# Altium PCB 2440PCBV8.PcbDoc (part 3 of 4)
Units mm, origin at the board's own origin, x right, y up, seen from the top; angles counter-clockwise.
Board outline 100.55 x 165.78 mm, 6 copper layers (Top Layer, GND1, SIG1, VCC, GND2, Bottom Layer), stack 1.803 mm thick; 257 components, 255 nets, 1164 pads, 733 vias.
Unrouted connection lines stored in the file: 55.
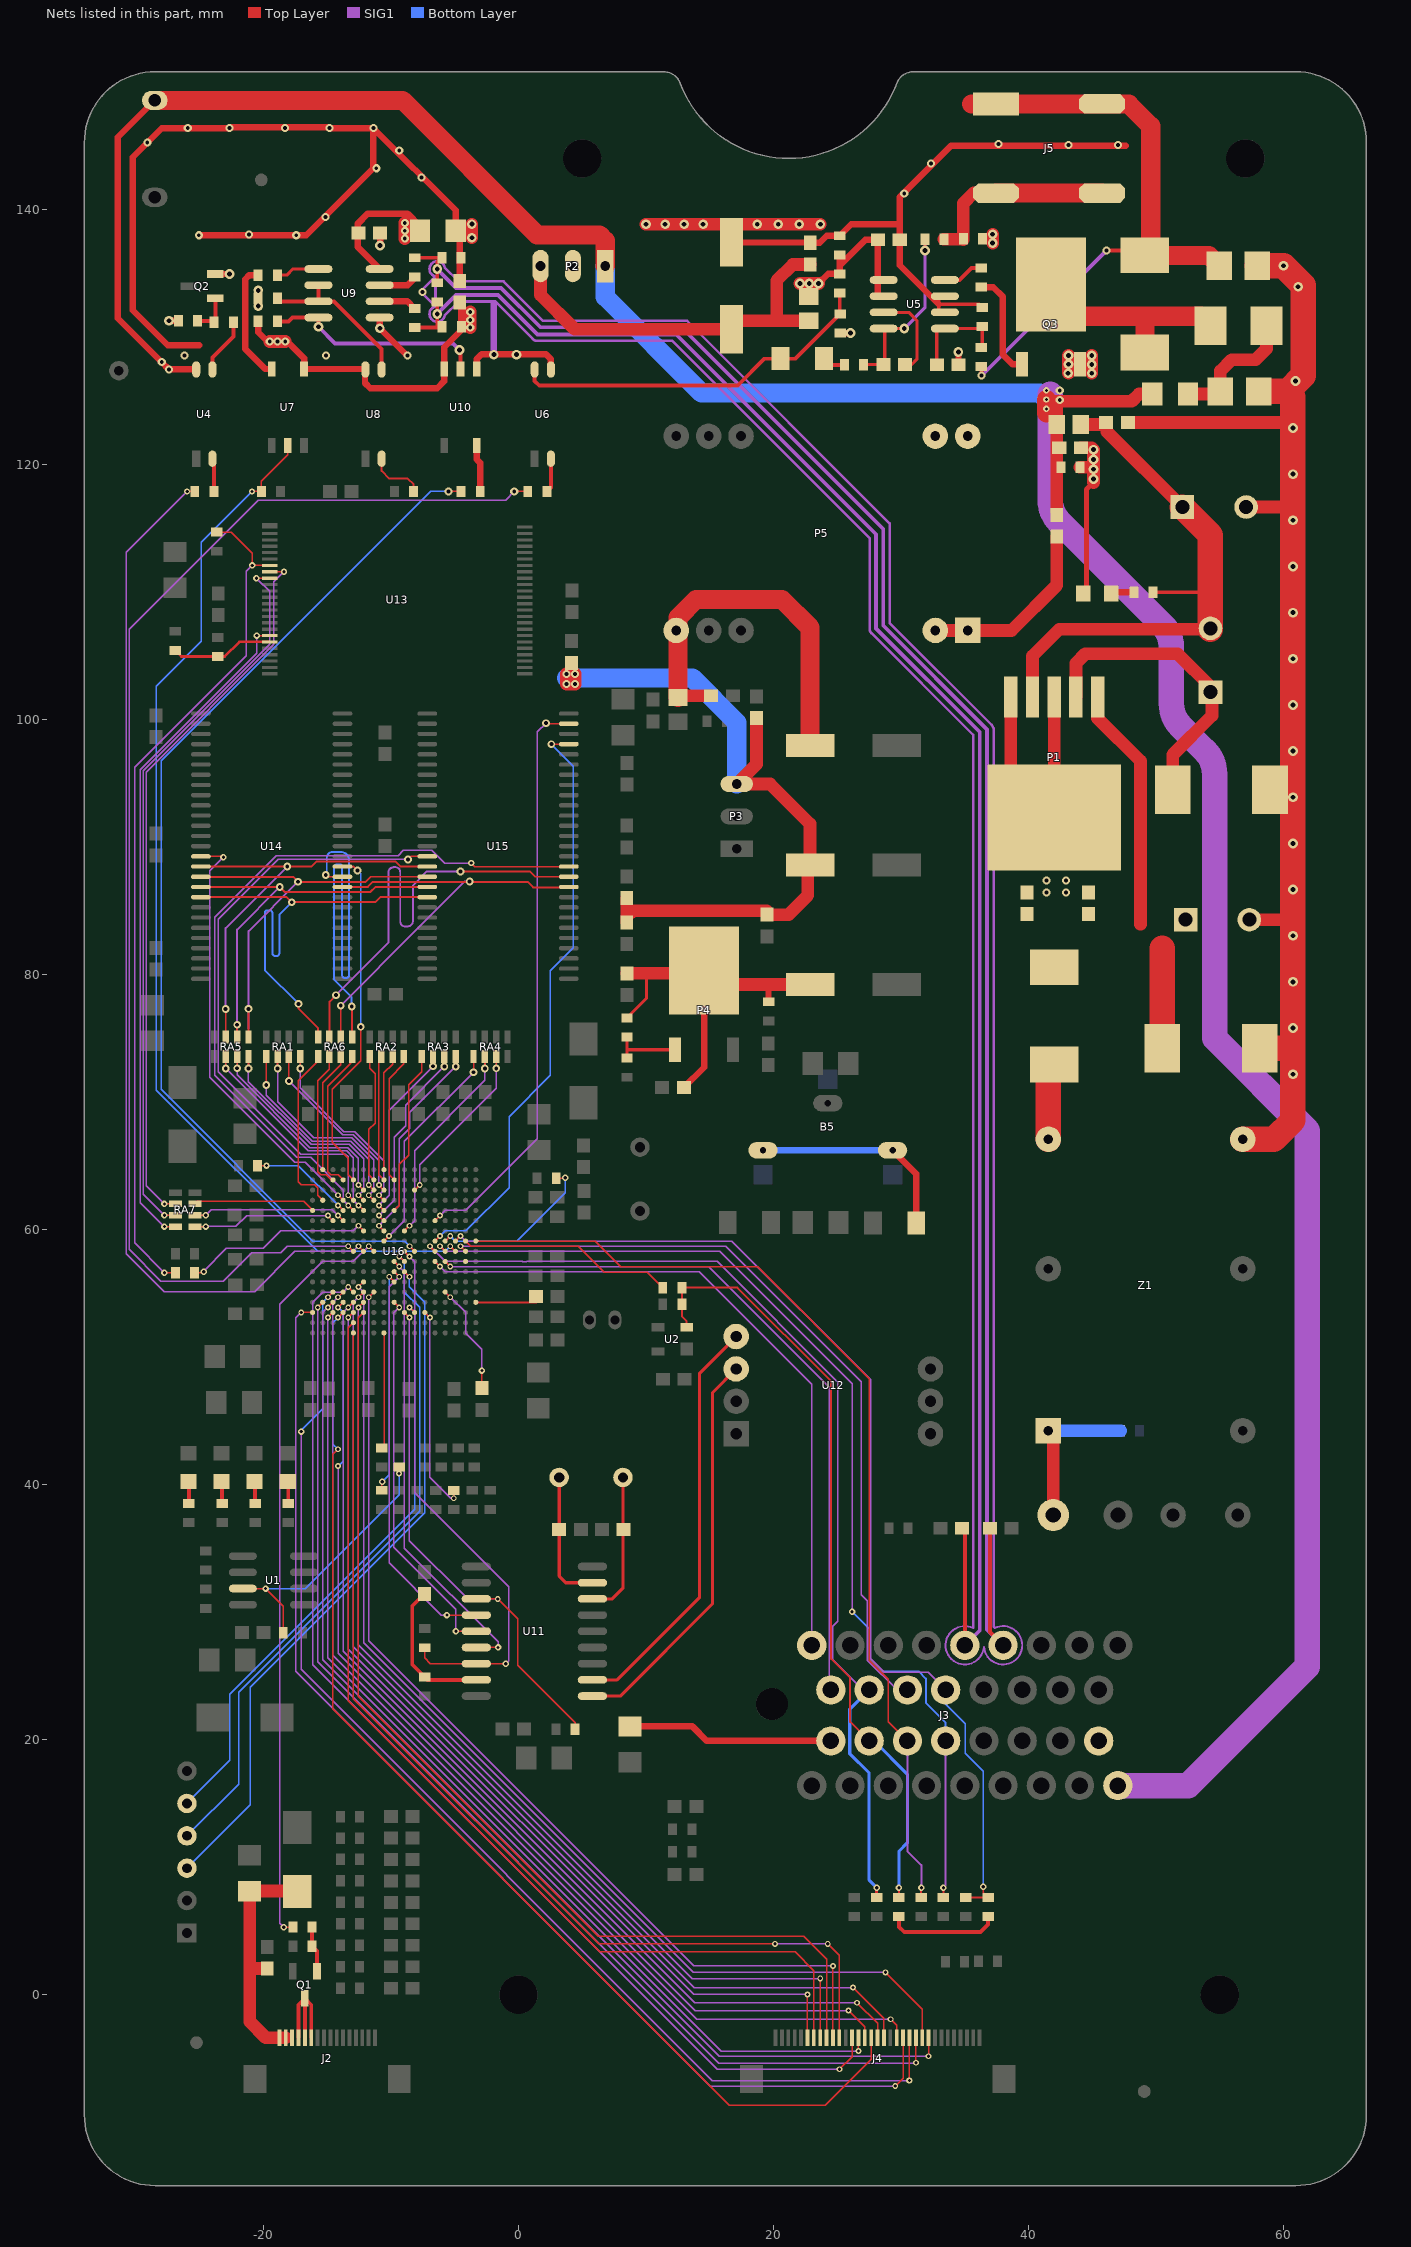
[diagram p7: the nets of this part, all layers, seen from the top]

## Via types
v1: diameter 0.635, hole 0.305, Top Layer to Bottom Layer, tented both sides, 275 vias
v2: diameter 0.457, hole 0.254, Top Layer to Bottom Layer, tented both sides, 233 vias
v3: diameter 0.6, hole 0.3, Top Layer to Bottom Layer, tented both sides, 106 vias
v4: diameter 0.762, hole 0.381, Top Layer to Bottom Layer, tented both sides, 59 vias
v5: diameter 0.508, hole 0.254, Top Layer to Bottom Layer, tented both sides, 59 vias
v6: diameter 0.406, hole 0.254, Top Layer to Bottom Layer, tented both sides, 1 vias

## Nets (pads, with @x,y where several pads share a name; then routed paths per layer and width w, separated by ;. In a path a pad name is that pad's centre, name@x,y a point inside that pad or via, vN(x,y) a via of type N, cw(c..) or ccw(c..) an arc to the next point about the centre after c; other vN are vias at no path point) (continued)
LDATA30: U15.51 U16.H13 | length 46.5
  Top Layer w0.102: U16.H13@-6.548,59.099 v2(-6.148,59.499) ; v3(2.578,98.068) U15.51@3.95,98.068
  Bottom Layer w0.102: v2(-6.148,59.499) -5.748,59.899 -4.122,59.899 -0.737,63.284 -0.737,68.859 2.489,72.085 2.489,80.315 4.293,82.118 4.293,96.354 v3(2.578,98.068)
LDATA31: U15.53 U16.F13 | length 45.4
  Top Layer w0.102: U16.F13@-6.548,60.699 v2(-6.148,61.099) ; v3(2.159,99.72) 2.211,99.668 U15.53@3.95,99.668
  SIG1 w0.102: v2(-6.148,61.099) -5.748,61.499 -4.147,61.499 1.468,67.114 1.468,99.029 v3(2.159,99.72)
LLADDR2: RA2.5 U16.B7 | length 10.3
  Top Layer w0.102: RA2.5@-11.856,73.564 -11.652,73.361 -11.652,72.637 -11.246,72.231 -11.246,68.357 -11.748,67.856 -11.748,64.299 U16.B7@-11.348,63.899
LLADDR3: RA3.7 U16.F8 | length 15.2
  Top Layer w0.102: v2(-10.948,61.099) U16.F8@-10.548,60.699 ; v3(-5.81,72.79) RA3.7@-5.81,73.59
  SIG1 w0.102: v2(-10.948,61.099) -9.748,62.299 -9.748,67.24 -8.839,68.148 -8.839,69.761 v3(-5.81,72.79)
LLADDR4: RA1.5 U16.C7 | length 15.7
  Top Layer w0.102: v3(-19.78,71.342) RA1.5@-19.78,73.564 ; v2(-11.748,63.499) U16.C7@-11.348,63.099
  SIG1 w0.102: v3(-19.78,71.342) -19.78,70.552 -16.167,66.939 -13.17,66.939 -11.748,65.516 v2(-11.748,63.499)
LLADDR5: RA1.8 U16.D8 | length 14.8
  Top Layer w0.102: v2(-10.948,62.699) U16.D8@-10.548,62.299
  Top Layer w0.152: v3(-17.113,72.637) RA1.8@-17.113,73.59
  SIG1 w0.102: v3(-17.113,72.637) -17.113,71.114 -13.691,67.691 -12.852,67.691 -10.548,65.386 -10.548,63.099 v2(-10.948,62.699)
LLADDR6: RA3.6 U16.E8 | length 14
  Top Layer w0.102: v2(-10.948,61.899) U16.E8@-10.548,61.499 ; v3(-6.699,72.815) RA3.6@-6.699,73.59
  SIG1 w0.102: v2(-10.948,61.899) -10.148,62.699 -10.148,69.367 v3(-6.699,72.815)
LLADDR7: RA1.6 U16.D7 | length 16.5
  Top Layer w0.102: v2(-11.748,62.699) U16.D7@-11.348,62.299
  Top Layer w0.152: v3(-18.891,72.637) RA1.6@-18.891,73.59
  SIG1 w0.102: v3(-18.891,72.637) -18.891,70.018 -16.063,67.189 -13.067,67.189 -11.348,65.471 -11.348,63.099 v2(-11.748,62.699)
LLADDR8: RA3.8 U16.G8 | length 16.4
  Top Layer w0.102: v2(-10.948,60.299) U16.G8@-10.548,59.899 ; v3(-4.921,72.79) RA3.8@-4.921,73.59
  SIG1 w0.102: v2(-10.948,60.299) -9.348,61.899 -9.348,67.106 -8.509,67.945 -8.509,69.202 v3(-4.921,72.79)
LLADDR9: RA2.6 U16.B8 | length 9.8
  Top Layer w0.102: RA2.6@-10.967,73.564 -10.948,73.545 -10.948,64.299 U16.B8@-10.548,63.899
LLADDR10: RA2.7 U16.A8 | length 9.2
  Top Layer w0.102: U16.A8@-10.548,64.699 -10.548,72.294 -9.874,72.967 RA2.7@-9.874,73.59
LLADDR11: RA1.7 U16.C8 | length 14.1
  Top Layer w0.102: RA1.7@-18.002,73.59 -18.002,71.656 v3(-18,71.653) ; v2(-10.948,63.499) U16.C8@-10.548,63.099
  SIG1 w0.102: v3(-18,71.653) -13.787,67.44 -12.956,67.44 -10.948,65.432 v2(-10.948,63.499)
LLADDR12: RA2.8 U16.B9 | length 10.3
  Top Layer w0.102: U16.B9@-9.748,63.899 -10.148,64.299 -10.148,71.831 -8.985,72.993 RA2.8@-8.985,73.59
LLADDR13: RA4.5 U16.H8 | length 17.4
  Top Layer w0.102: U16.H8@-10.548,59.099 v2(-10.148,59.499) ; v3(-3.524,72.345) RA4.5@-3.524,73.59
  SIG1 w0.102: v2(-10.148,59.499) -8.948,60.699 -8.948,66.922 v3(-3.524,72.345)
LLADDR14: RA3.5 U16.E9 | length 12.6
  Top Layer w0.102: U16.E9@-9.748,61.499 -9.748,61.505 -9.452,61.801 -9.445,61.801 -9.348,61.899 -9.348,65.112 -8.622,65.838 -8.622,71.363 -7.588,72.396 RA3.5@-7.588,73.171
LLADDR24: RA4.7 U16.C11 | length 13.1
  Top Layer w0.102: U16.C11@-8.148,63.099 v2(-7.748,63.499) ; v3(-1.746,72.644) RA4.7@-1.746,73.59
  SIG1 w0.102: v2(-7.748,63.499) -7.748,65.092 -1.746,71.093 v3(-1.746,72.644)
LLADDR25: RA4.6 U16.G10 | length 16.3
  Top Layer w0.102: U16.G10@-8.948,59.899 v2(-8.548,60.299)
  Top Layer w0.152: v3(-2.635,72.637) RA4.6@-2.635,73.59
  SIG1 w0.102: v2@-8.571,60.299 v2(-8.548,60.299) -8.148,60.699 -8.148,66.198 -2.635,71.71 v3(-2.635,72.637)
LLNSCAS: RA5.8 U16.D6 | length 17.1
  Top Layer w0.102: v2(-12.548,62.699) U16.D6@-12.148,62.299
  Top Layer w0.152: v3(-21.177,72.637) RA5.8@-21.177,73.59
  SIG1 w0.102: v3(-21.177,72.637) -21.177,71.594 -16.271,66.688 -13.274,66.688 -12.148,65.561 -12.148,63.099 v2(-12.548,62.699)
LLNSCS0: RA6.5 U16.D2 | length 13.3
  Top Layer w0.102: RA6.5@-15.716,73.59 -15.716,73.227 -17.272,71.672 -17.272,63.747 -17.024,63.499 -15.982,63.499 -15.748,63.264 -15.748,62.699 U16.D2@-15.348,62.299
LLNSRAS: RA5.7 U16.C6 | length 16.4
  Top Layer w0.102: v3(-22.066,72.65) RA5.7@-22.066,73.59 ; v2(-12.548,63.499) U16.C6@-12.148,63.099
  SIG1 w0.102: v3(-22.066,72.65) -22.066,72.129 -16.375,66.437 -13.378,66.437 -12.548,65.607 v2(-12.548,63.499)
LLNWE: RA5.6 U16.E6 | length 18.3
  Top Layer w0.102: v2(-12.548,61.899) U16.E6@-12.148,61.499
  Top Layer w0.152: v3(-22.955,72.637) RA5.6@-22.955,73.59
  SIG1 w0.102: v3(-22.955,72.637) -16.504,66.186 -13.482,66.186 -12.948,65.652 -12.948,62.299 v2(-12.548,61.899)
LLSCKE: RA6.7 U16.A2 | length 9.5
  Top Layer w0.102: U16.A2@-15.348,64.699 -15.348,71.52 -13.938,72.93 RA6.7@-13.938,73.59
LLSCLK0: RA6.8 U16.B4 | length 11.2
  Top Layer w0.102: U16.B4@-13.748,63.899 -14.148,64.299 -14.713,64.299 -14.948,64.533 -14.948,71.26 -13.151,73.057 RA6.8@-13.151,73.564
LLSCLK1: RA6.6 U16.B3 | length 10.9
  Top Layer w0.102: RA6.6@-14.827,73.59 -14.827,72.574 -15.748,71.654 -15.748,64.533 -15.513,64.299 -15.068,64.299 -14.668,63.899 U16.B3@-14.548,63.899
LNFCE: RA7.6 U16.F4 | length 12.1
  Top Layer w0.102: RA7.6@-25.375,61.125 v5(-24.524,61.125) ; v2(-14.148,61.099) U16.F4@-13.748,60.699
  SIG1 w0.102: v5(-24.524,61.125) -24.111,61.538 -14.587,61.538 v2(-14.148,61.099)
LNFRE: RA7.7 U16.E1 | length 9.5
  Top Layer w0.102: RA7.7@-25.312,62.077 -25.184,62.205 -16.854,62.205 U16.E1@-16.148,61.499
LNFWE: RA7.5 U16.F3 | length 11.3
  Top Layer w0.102: RA7.5@-25.375,60.236 v5(-24.524,60.236) ; v2(-14.948,61.099) U16.F3@-14.548,60.699
  SIG1 w0.102: v5(-24.524,60.236) -24.511,60.249 -22.174,60.249 -21.324,61.099 v2(-14.948,61.099)
LNSCAS: RA5.1 U14.17 U15.17 | length 33.4
  Top Layer w0.152: U14.17@-24.905,87.668 -24.895,87.659 -17.682,87.659 v3(-17.296,87.273) -11.99,87.273 -11.595,87.668 U15.17@-7.15,87.668 ; RA5.1@-21.177,75.114 v3(-21.177,77.311)
  SIG1 w0.152: -21.171,75.755 -21.171,83.398 v3(-17.296,87.273)
LNSCS0: RA6.4 U14.19 U15.19 | length 38.7
  Top Layer w0.152: U14.19@-24.905,86.068 -18.174,86.068 v3(-17.779,85.673) -11.228,85.673 -10.833,86.068 U15.19@-7.15,86.068 ; v3(-17.247,77.699) -17.247,77.318 -15.716,75.787 RA6.4@-15.716,75.114
  Bottom Layer w0.152: v3(-17.779,85.673) -18.75,84.702 -18.75,81.686 cw(c-18.979,81.686) -18.979,81.458 -19.075,81.458 cw(c-19.075,81.686) -19.304,81.686 -19.304,84.836 ccw(c-19.504,84.836) -19.504,85.036 -19.688,85.036 ccw(c-19.688,84.836) -19.888,84.836 -19.888,80.34 v3(-17.247,77.699)
LNSRAS: RA5.2 U14.18 U15.18 | length 31.2
  Top Layer w0.152: U14.18@-24.905,86.868 v3(-18.72,86.868) -18.325,86.473 -11.607,86.473 -11.212,86.868 U15.18@-7.15,86.868 ; RA5.2@-22.066,75.114 v3(-22.066,76.066)
  SIG1 w0.152: v3(-22.066,76.066) -22.066,83.522 v3(-18.72,86.868)
LNWBE0: U14.15 U16.D4 | length 33.9
  Top Layer w0.102: U14.15@-24.905,89.268 -23.203,89.268 v5(-23.139,89.205) ; v2(-14.148,62.699) U16.D4@-13.748,62.299
  SIG1 w0.102: v5(-23.139,89.205) -24.206,88.138 -24.206,71.957 -17.527,65.278 -16.727,65.278 v2(-14.148,62.699)
LNWBE1: U14.39 U16.B5 | length 27.3
  Top Layer w0.102: U16.B5@-12.948,63.899 -13.348,64.299 -13.348,65.586 -14.605,66.844 -14.605,70.994 -12.717,72.882 -12.599,72.999 ; -12.599,72.999 -12.37,73.229 v3(-12.37,75.895)
  Top Layer w0.152: U14.39@-13.805,88.468 -12.929,88.468 v3(-12.624,88.163)
  Bottom Layer w0.152: v3(-12.624,88.163) -12.37,87.909 v3(-12.37,75.895)
LNWBE2: U15.15 U16.D5 | length 46.9
  Top Layer w0.102: v2(-13.348,62.699) U16.D5@-12.948,62.299 ; v1(-8.661,89.027) -8.42,89.268 U15.15@-7.15,89.268
  SIG1 w0.102: v2(-13.348,62.699) -13.348,65.697 -13.57,65.919 -17.075,65.919 -23.546,72.39 -23.546,84.328 -18.847,89.027 v1(-8.661,89.027)
LNWBE3: U15.39 U16.E5 | length 58.6
  Top Layer w0.102: v2(-13.348,61.899) U16.E5@-12.948,61.499 ; v5(-3.708,88.748) -3.429,88.468 U15.39@3.95,88.468
  SIG1 w0.102: v2(-13.348,61.899) -13.748,62.299 -13.748,63.099 -16.308,65.659 -17.379,65.659 -23.825,72.106 -23.825,84.506 -18.999,89.332 -9.449,89.332 -9.041,89.74 -6.783,89.74 -5.791,88.748 v5(-3.708,88.748)
LNWE: RA5.3 U14.16 U15.16 | length 33.4
  Top Layer w0.102: RA5.3@-22.955,75.114 RA5.3@-22.955,75.266
  Top Layer w0.152: U14.16@-24.905,88.468 v3(-18.135,88.468) -16.256,88.468 -15.861,88.864 -9.641,88.864 -9.246,88.468 U15.16@-7.15,88.468 ; v3(-22.968,77.298) -22.955,77.285 RA5.3@-22.955,75.266
  SIG1 w0.152: v3(-22.968,77.298) -22.968,83.636 v3(-18.135,88.468)
LRNB: R78.2 U16.G6 | length 15.1
  Top Layer w0.102: R78.2@-25.412,56.624 -24.764,56.624 v5(-24.689,56.699) ; v2(-12.548,60.299) U16.G6@-12.148,59.899
  SIG1 w0.102: v5(-24.689,56.699) -24.689,56.744 -22.898,58.534 -20.028,58.534 -18.663,59.899 -12.948,59.899 v2(-12.548,60.299)
  Bottom Layer w0.102: v5@-24.764,56.624 v5(-24.689,56.699)
LSCKE: RA6.2 U14.37 U15.37 | length 34.7
  Top Layer w0.152: RA6.2@-13.938,75.114 v3(-13.938,77.567) ; U14.37@-13.805,86.868 -11.811,86.868 -11.415,87.264 0.722,87.264 1.143,86.843 U15.37@3.95,86.843
  SIG1 w0.152: v3(-13.938,77.567) -7.89,83.616 -7.89,83.623 -4.213,87.3 v3(-3.835,87.3)
LSCLK0: RA6.1 U14.38 | length 38.2
  Top Layer w0.152: v3(-15.113,87.808) -14.974,87.668 U14.38@-13.805,87.668 ; RA6.1@-13.049,75.114 v3@-13.049,77.495
  Bottom Layer w0.152: v3(-15.113,87.808) ccw(c-15.113,87.884) -15.037,87.884 -15.037,89.154 cw(c-14.58,89.154) -14.58,89.611 -13.919,89.611 cw(c-13.919,88.976) -13.284,88.976 -13.284,79.947 cw(c-13.501,79.947) -13.501,79.731 -13.615,79.731 cw(c-13.615,79.947) -13.831,79.947 -13.831,88.468 ccw(c-13.995,88.468) -13.995,88.632 -14.263,88.632 ccw(c-14.263,88.443) -14.453,88.443 -14.453,79.604 -13.081,78.232 v3(-13.081,77.495)
LSCLK1: RA6.3 U15.38 | length 37.3
  Top Layer w0.152: RA6.3@-14.827,75.114 -14.811,75.13 -14.811,77.886 v3(-14.313,78.384) ; v3@-4.548,88.087 0.889,88.087 1.308,87.668 U15.38@3.95,87.668
  SIG1 w0.152: v3(-14.313,78.384) -10.197,82.5 -10.197,88.011 cw(c-9.791,88.011) -9.791,88.417 -9.652,88.417 cw(c-9.652,88.036) -9.271,88.036 -9.271,84.15 ccw(c-8.89,84.15) -8.89,83.769 -8.738,83.769 ccw(c-8.738,84.239) -8.268,84.239 -8.268,86.994 -7.178,88.083 v3(-4.548,88.083) ; v3@-4.548,87.959 v3(-4.548,88.083) ; v3@-4.548,88.087 v3(-4.548,88.083)
LVD2: J4.20 U16.N4 | length 86
  Top Layer w0.102: v2(29.185,-1.923) 29.66,-2.398 J4.20@29.66,-3.375
  Top Layer w0.127: v2(-14.148,54.699) U16.N4@-13.748,55.099
  SIG1 w0.102: v2(-14.148,54.699) -14.548,54.299 -14.548,26.608 13.984,-1.923 v2(29.185,-1.923)
LVD3: J4.21 U16.R1 | length 93.7
  Top Layer w0.102: v2(-17.037,53.499) U16.R1@-16.148,53.499 ; v2(29.54,-7.163) 30.16,-6.543 J4.21@30.16,-3.375
  SIG1 w0.102: v2(-17.037,53.499) -17.462,53.074 -17.462,25.347 15.047,-7.163 v2(29.54,-7.163)
LVD4: J4.22 U16.N3 | length 95.1
  Top Layer w0.102: v2(-14.948,54.699) U16.N3@-14.548,55.099 ; v5(30.66,-6.729) J4.22@30.66,-3.375
  SIG1 w0.102: v5(-17.037,44.164) -17.037,25.521 15.212,-6.729 v5(30.66,-6.729)
  Bottom Layer w0.102: v5(-17.037,44.164) -17.094,44.221 -15.348,45.968 -15.348,54.299 v2(-14.948,54.699)
LVD5: J4.23 U16.P2 | length 90.3
  Top Layer w0.102: v2(-15.748,53.899) U16.P2@-15.348,54.299 ; v2@31.16,-5.334 J4.23@31.16,-3.375
  SIG1 w0.102: v2(-15.748,53.899) -15.748,26.111 15.723,-5.359 v2@31.166,-5.359
  other v2: 31.166,-5.334
LVD6: J4.24 U16.M6 | length 86.6
  Top Layer w0.102: v2(-12.548,55.499) U16.M6@-12.148,55.899 ; v2(28.778,1.753) 31.66,-1.129 J4.24@31.66,-3.375
  SIG1 w0.102: v2(-12.548,55.499) -12.147,55.098 -12.147,27.603 13.703,1.753 v2(28.778,1.753)
LVD7: J4.25 U16.P3 | length 90.2
  Top Layer w0.102: v2(-14.948,53.899) U16.P3@-14.548,54.299 ; v2(32.156,-4.826) 32.16,-4.822 J4.25@32.16,-3.375
  SIG1 w0.102: v2(-14.948,53.899) -15.348,53.499 -15.348,26.277 15.756,-4.826 v2(32.156,-4.826)
LVD10: J4.13 U16.N5 | length 89.6
  Top Layer w0.102: v2@-13.36,55.511 U16.N5@-12.948,55.099 ; v2(25.166,-5.842) 26.16,-4.848 J4.13@26.16,-3.375
  SIG1 w0.102: v2(-13.348,55.499) -13.748,55.099 -15.348,55.099 -16.148,54.299 -16.148,25.876 15.57,-5.842 v2(25.166,-5.842)
LVD11: J4.14 U16.R3 | length 82.7
  Top Layer w0.102: v2(-14.948,53.099) U16.R3@-14.548,53.499 ; J4.14@26.66,-3.375 26.66,-4.41 v2(26.67,-4.42)
  SIG1 w0.102: v2(-14.948,53.099) -14.948,26.443 15.915,-4.42 v2(26.67,-4.42)
LVD12: J4.15 U16.P4 | length 82.3
  Top Layer w0.102: v2(-14.148,53.899) U16.P4@-13.748,54.299 ; v2(25.883,-1.245) 27.16,-2.522 J4.15@27.16,-3.375
  SIG1 w0.102: v2(-14.148,41.453) -14.148,26.774 13.871,-1.245 v2(25.883,-1.245)
  Bottom Layer w0.102: v2(-14.148,41.453) -13.748,41.853 -13.748,53.499 v2(-14.148,53.899)
LVD13: J4.16 U16.R4 | length 90
  Top Layer w0.102: v2(-14.148,42.774) -14.548,42.374 -14.548,22.432 16.546,-8.661 24.054,-8.661 27.66,-5.055 J4.16@27.66,-3.375 ; v2(-14.148,53.099) U16.R4@-13.748,53.499
  Bottom Layer w0.102: v2(-14.148,42.774) -14.554,43.18 -14.554,52.692 v2@-14.148,53.099
LVD14: J4.17 U16.P5 | length 82.8
  Top Layer w0.102: v2(-13.348,53.899) U16.P5@-12.948,54.299 ; v2(26.543,-0.635) 28.16,-2.252 J4.17@28.16,-3.375
  SIG1 w0.102: v2(-13.348,53.899) -13.748,53.499 -13.748,26.94 13.827,-0.635 v2(26.543,-0.635)
LVD15: J4.18 U16.N6 | length 83.3
  Top Layer w0.102: v2(-12.548,54.699) U16.N6@-12.148,55.099 ; v2(26.238,0.559) 28.66,-1.863 J4.18@28.66,-3.375
  SIG1 w0.102: v2(-12.548,54.699) -12.948,54.299 -12.948,27.271 13.765,0.559 v2(26.238,0.559)
LVD18: J4.6 U16.R5 | length 77.2
  Top Layer w0.102: v2(-13.348,53.099) U16.R5@-12.948,53.499 ; v2(22.657,0.025) 22.66,0.022 J4.6@22.66,-3.375
  SIG1 w0.102: v2(-13.348,53.099) -13.348,27.105 13.732,0.025 v2(22.657,0.025)
LVD19: J4.7 U16.T5 | length 80.3
  Top Layer w0.102: U16.T5@-12.948,52.699 -13.348,52.299 -13.348,23.062 6.361,3.353 21.692,3.353 23.16,1.884 J4.7@23.16,-3.375
LVD20: J4.8 U16.P6 | length 78.7
  Top Layer w0.102: v2(-12.548,53.899) U16.P6@-12.148,54.299 ; J4.8@23.66,-3.375 v2(23.66,1.283)
  SIG1 w0.102: v2(-12.548,53.899) -12.548,27.437 13.619,1.27 23.647,1.27 v2(23.66,1.283)
LVD21: J4.9 U16.R6 | length 81.7
  Top Layer w0.102: U16.R6@-12.148,53.499 -12.548,53.099 -12.548,23.394 6.274,4.572 22.352,4.572 24.16,2.764 J4.9@24.16,-3.375
LVD22: J4.10 U16.N7 | length 80.1
  Top Layer w0.102: v2(-11.748,54.699) U16.N7@-11.348,55.099 ; J4.10@24.66,-3.375 24.66,2.257 v2(24.663,2.261)
  SIG1 w0.102: v2(-11.748,54.699) -11.748,27.768 13.76,2.261 v2(24.663,2.261)
LVD23: J4.11 U16.U5 | length 81.6
  Top Layer w0.102: U16.U5@-12.948,51.899 -12.948,23.228 6.292,3.988 v2(20.117,3.988) ; v2(24.257,3.988) 25.16,3.085 J4.11@25.16,-3.375
  SIG1 w0.102: v2(20.117,3.988) v2(24.257,3.988)
MPLLCAP: C50.1 U16.N14 | length 8.7
  Top Layer w0.102: U16.N14@-5.748,55.099 v2(-5.348,54.699) ; C50.1@-2.87,47.561 v5(-2.87,48.946)
  SIG1 w0.102: v2(-5.348,54.699) -4.148,53.499 -4.148,51.874 -2.87,50.597 v5(-2.87,48.946)
NBATT: R80.2 U16.H14 | length 13.2
  Top Layer w0.102: U16.H14@-5.748,59.099 v2(-5.348,59.499) ; R80.2@2.96,64.033 3.632,64.033 v5(3.658,64.059)
  Bottom Layer w0.102: v2(-5.348,59.499) -4.948,59.099 -0.137,59.099 3.658,62.894 v5(3.658,64.059)
NCON: R22.2 U16.R12 | length 16.2
  Top Layer w0.102: U16.R12@-7.348,53.499 v2(-6.947,53.099) ; v2(-5.08,38.938) -5.072,38.947 R22.2@-5.072,39.536
  SIG1 w0.102: v2(-6.947,53.099) -6.947,40.585 -5.3,38.938 v2(-5.08,38.938)
NCTS1/RXD2: R53.2 U7.5 U16.J15 | length 84.2
  Top Layer w0.102: v2(-20.904,117.881) R53.2@-20.165,117.881 -20.165,118.697 -18.085,120.777 U7.5@-18.085,121.487 ; v2(-5.348,58.699) U16.J15@-4.948,58.299
  Bottom Layer w0.102: v2@-20.93,117.856 -24.867,113.919 -24.867,106.121 -28.397,102.591 -28.397,70.942 -15.754,58.299 -5.748,58.299 v2(-5.348,58.699)
NetB1_1: B1.1 R71.2 | length 1.7
  Top Layer w0.305: R71.2@-23.246,38.52 B1.1@-23.246,40.204
NetB2_1: B2.1 R72.1 | length 1.7
  Top Layer w0.305: R72.1@-20.653,38.52 B2.1@-20.653,40.204
NetB3_1: B3.1 R73.1 | length 1.7
  Top Layer w0.305: R73.1@-18.059,38.52 B3.1@-18.059,40.204
NetB4_1: B4.1 R74.1 | length 3.4
  Top Layer w0.152: R74.1@-25.883,38.562 B4.1@-25.883,40.246
  Top Layer w0.305: R74.1@-25.84,38.52 B4.1@-25.84,40.204
NetB5_1: B5.1@19.177,66.218 B5.3 D7.1 | length 16.6
  Top Layer w0.508: B5.3@29.337,66.218 31.189,64.365 D7.1@31.189,60.528
  Bottom Layer w0.508: B5.1@19.177,66.218 B5.3@29.337,66.218
NetC3_1: C3.1 CV2.1 L1.2 P1.4 R1.1 RT1.1 | length 43.5
  Top Layer w0.254: R1.1@49.76,109.982 53.56,109.982
  Top Layer w1: P1.4@40.312,101.758 40.312,104.98 42.418,107.086 L1.2@54.264,107.086 ; RT1.1@44.106,123.139 45.974,123.139 46.126,123.292 46.126,122.595 CV2.1@52.059,116.662
  Top Layer w2: CV2.1@52.059,116.662 54.264,114.457 L1.2@54.264,107.148 L1.2@54.264,107.086
NetC5_1: C5.1 CV3.1 P2.3 RT2.1 | length 29.9
  Top Layer w1: P2.3@1.727,135.56 1.727,133.299 4.416,130.61 CV3.1@16.713,130.61 ; CV3.1@17.502,131.272 20.244,131.272 ; RT2.1@22.76,131.272 20.244,131.272 ; C5.1@22.875,135.687 21.514,135.687 20.244,134.417 20.244,131.272
NetC7_1: C7.1 CV4.1 P3.3 RD1.1 RD2.1 RD3.1 RD4.1 | length 56.9
  Top Layer w1: RD3.1@8.49,84.098 8.49,85.09 ; RD2.1@8.49,85.993 8.49,85.09 ; C7.1@18.669,99.861 18.669,96.495 P3.3@17.12,94.945 19.736,94.945 22.864,91.817 CV4.1@22.864,88.595 ; RD1.1@19.443,85.001 8.96,85.001 8.769,84.811 8.49,85.09 ; RD1.1@19.482,84.695 21.17,84.695 22.686,86.211 CV4.1@22.686,87.862 ; v1(3.759,102.794) v1(4.445,102.794) v1(4.445,103.581) v1(3.759,103.581) v1(3.759,102.794)
  Bottom Layer w1.5: 3.759,103.251 13.64,103.251 17.12,99.771 P3.3@17.12,94.945
NetC9_1: C9.1 CV5.1 P4.4 R2.1 RK1.1 RV5.2 | length 28.6
  Top Layer w0.254: R2.1@8.509,76.596 10.033,78.12 10.033,80.098
  Top Layer w0.5: C9.1@12.966,71.147 14.554,72.735 P4.4@14.554,80.311 ; RV5.2@19.609,77.864 19.609,79.07
  Top Layer w1: RK1.1@8.507,80.098 10.033,80.098 14.342,80.098 P4.4@14.554,80.311 ; P4.4@15.332,79.223 CV5.1@22.686,79.223
NetC10_1: C10.1 CV6.1 P5.14 RT4.1 | length 29.8
  Top Layer w1: RT4.1@12.649,101.854 C10.1@15.113,101.854
  Top Layer w1.5: RT4.1@12.522,101.728 12.522,108.001 13.945,109.423 20.65,109.423 22.864,107.21 CV6.1@22.864,97.968
NetC13_1: C13.1 CP6.1 J2.1 J2.2 J2.3 RF1.1 | length 19
  Top Layer w0.254: J2.3@-17.75,-3.375 J2.3@-17.75,-2.951
  Top Layer w1: C13.1@-19.837,2.046 -21.04,2.046 -21.077,2.083 ; J2.2@-18.25,-3.375 J2.1@-18.75,-3.375 -19.815,-3.375 -21.077,-2.113 -21.077,2.083 ; CP6.1@-17.348,8.104 -17.369,8.125 RF1.1@-21.077,8.125 -21.077,2.083
NetC27_1: C27.1 R43.2 R44.2 U5.5 | length 7.7
  Top Layer w0.254: C27.1@32.805,127.813 U5.5@32.805,130.506 ; U5.5@32.956,130.658 U5.5@33.439,130.658 36.222,130.658 R43.2@36.373,130.809 R44.2@36.373,129.261
NetC28_1: C28.1 U5.3 | length 7
  Top Layer w0.254: U5.3@28.639,131.928 30.607,131.928 31.242,131.293 31.242,128.245 30.836,127.838 C28.1@30.328,127.838
NetC28_2: C28.2 R48.2 R49.1 U5.4 | length 13.8
  Top Layer w0.254: R49.1@27.078,127.838 C28.2@28.628,127.838 28.727,127.838 28.727,130.569 U5.4@28.639,130.658 v4(30.251,130.658) ; v4(31.876,136.78) R48.2@31.876,137.668
  SIG1 w0.254: v4(30.251,130.658) 31.876,132.282 v4(31.876,136.78)
NetC35_1: C35.1 R64.2 U11.17 | length 11.5
  Top Layer w0.305: C35.1@-7.368,31.433 -8.331,30.47 -8.331,25.896 R64.2@-7.366,24.931 -7.124,24.689 U11.17@-3.305,24.689
NetC36_1: C36.1 U11.8 X1.2 | length 10.6
  Top Layer w0.254: X1.2@3.188,40.564 3.188,32.829 3.708,32.309 U11.8@5.795,32.309
NetC37_1: C37.1 U11.7 X1.1 | length 11.4
  Top Layer w0.254: U11.7@5.795,31.039 7.366,31.039 8.191,31.864 X1.1@8.191,40.564
NetCT1_1: CT1.1 L2.1 RF2.2 | length 10.1
  Top Layer w1: RF2.2@52.505,125.527 CT1.1@54.837,125.527 ; CT1.1@55.04,125.73 55.04,127.329 55.931,128.219 57.81,128.219 58.664,129.073 L2.1@58.664,130.886
NetCT2_1: CT2.1 D4.2 J5.1 R44.1 | length 48.7
  Top Layer w0.305: v1(36.297,126.975) R44.1@36.297,127.684 ; v1(46.126,136.779) D4.2@49.561,136.779
  Top Layer w1.5: 35.539,148.255 47.859,148.255 49.581,146.533 D4.2@49.581,136.759 ; D4.2@49.098,136.398 54.126,136.398 CT2.1@54.939,135.585
  SIG1 w0.305: v1@36.309,126.962 v1(46.126,136.779)
NetD1_1: D1.1 Z1.3 | length 6.1
  Top Layer w2: Z1.3@41.554,67.081 41.554,72.492 D1.1@42.012,72.949
NetD3_2: D3.2 L1.1 P1.2 | length 24.6
  Top Layer w1: P1.2@43.712,101.758 43.712,104.418 44.45,105.156 51.689,105.156 54.381,102.464 54.381,100.305 51.308,97.231 D3.2@51.308,94.488 D3.2@50.901,94.895
NetD4_1: D4.1 L2.2 Q3.4 | length 15.7
  Top Layer w1.5: Q3.4@41.758,134.109 44.244,131.623 49.124,131.623 ; D4.1@49.098,128.778 49.124,128.803 49.124,131.623 ; L2.2@53.528,131.623 49.124,131.623
NetD5_1: D5.1 R45.2 R47.2 U6.4 | length 29
  Top Layer w0.305: U6.4@1.27,127.452 1.27,126.543 1.626,126.187 17.196,126.187 19.304,128.295 D5.1@20.55,128.295 21.71,128.295 R47.2@25.217,131.802 ; R47.2@25.191,131.827 R45.2@25.191,133.453
NetD5_2: D5.2 R49.2 | length 1.8
  Top Layer w0.305: D5.2@23.95,128.295 24.433,127.813 R49.2@25.552,127.813
NetFU1_2: FU1.2 RV2.2 Z1.1 | length 12.4
  Top Layer w1: Z1.1@41.554,44.221 41.935,43.84 FU1.2@41.935,37.617
  Bottom Layer w1: Z1.1@41.554,44.221 RV2.2@47.205,44.221
NetHL1_1: HL1.1 R1.2 | length 1.8
  Top Layer w0.5: HL1.1@46.486,109.887 46.581,109.982 R1.2@48.26,109.982
NetJ1_11: 
NetJ1_15: R15.2 R16.2 | length 8.9
  Top Layer w0.305: R15.2@29.832,6.133 29.832,5.322 30.251,4.902 36.22,4.902 36.824,5.506 R16.2@36.824,6.133
NetJ2_4: J2.4 J2.5 J2.6 Q1.3 | length 9.7
  Top Layer w0.305: J2.4@-17.25,-3.375 -17.25,-0.786 -16.752,-0.288 Q1.3@-16.75,-0.29 ; J2.5@-16.75,-3.375 Q1.3@-16.75,-0.29 ; J2.6@-16.25,-3.375 -16.25,-0.79 Q1.3@-16.75,-0.29
NetJ3_17: J3.17 RF3.1 | length 16.2
  Top Layer w0.508: RF3.1@8.738,21.034 13.637,21.034 14.771,19.9 J3.17@24.5,19.9
NetJ5_2: J5.2 R48.1 R50.1 | length 15.6
  Top Layer w1: R48.1@33.376,137.668 34.835,137.668 R50.1@34.886,137.719 ; R50.1@34.874,137.617 34.874,140.462 35.692,141.28 J5.2@37.444,141.28
  Top Layer w1.5: J5.2@37.444,141.28 J5.2@45.766,141.28
NetNR3_1: 
NetNR4_1: NR4.1 R17.2 U1.7 | length 21.5
  Top Layer w0.102: U1.7@-21.618,31.852 v5(-19.837,31.852) -18.45,30.464 R17.2@-18.45,28.399 ; v2(-9.361,40.874) NR4.1@-9.361,41.389
  Bottom Layer w0.102: v5(-19.837,31.852) -16.713,31.852 -9.361,39.204 v2(-9.361,40.874)
NetNR9_1: NR9.1 R69.2 U13.19 | length 8.1
  Top Layer w0.203: NR9.1@-26.911,105.41 -26.441,104.939 R69.2@-23.597,104.939 -23.036,104.939 -21.89,106.085 U13.19@-19.513,106.085
NetP4_1: P4.1 R2.2 R3.1 | length 5.4
  Top Layer w0.254: R3.1@8.509,73.445 8.509,74.143 ; R2.2@8.509,75.096 8.509,74.143 ; P4.1@12.274,74.111 8.541,74.111 8.509,74.143
NetP5_22: P5.22 P5.23 RT3.2 | length 14.8
  Top Layer w1: P5.22@32.69,106.985 38.659,106.985 42.206,110.532 RT3.2@42.206,114.335
  Bottom Layer w1: P5.22@32.69,106.985 P5.22@32.715,106.959
NetQ1_1: Q1.1 R19.1 R21.1 | length 3.6
  Top Layer w0.305: R19.1@-16.192,5.309 R21.1@-16.192,3.81 -15.8,3.418 Q1.1@-15.8,1.837
NetQ2_1: Q2.1 R39.1 R41.1 | length 3.2
  Top Layer w0.305: R41.1@-25.158,131.272 -25.15,131.264 -23.766,131.264 Q2.1@-23.766,133.035
NetQ3_1: Q3.1 R42.1 | length 8.4
  Top Layer w0.508: R42.1@36.271,133.907 37.238,133.907 37.973,133.172 37.973,128.626 38.739,127.859 Q3.1@39.478,127.859
NetR39_2: R39.2 U4.3 | length 4.4
  Top Layer w0.305: U4.3@-24.003,127.452 -24.003,128.397 -22.364,130.036 R39.2@-22.364,131.166
NetR40_1: R40.1 U4.2 | length 2.6
  Top Layer w0.305: U4.2@-24.003,120.452 -23.887,120.336 R40.1@-23.887,117.881
NetR42_2: R42.2 U5.8 | length 3.7
  Top Layer w0.305: U5.8@32.956,134.468 U5.8@33.439,134.468 34.595,134.468 35.535,135.407 R42.2@36.271,135.407
NetR46_1: R46.1 U6.2 | length 2.7
  Top Layer w0.305: R46.1@2.224,117.881 2.54,118.197 U6.2@2.54,120.452
NetR54_1: R54.1 U9.1 | length 3.4
  Top Layer w0.254: R54.1@-18.913,134.854 -18.181,134.854 -17.704,135.331 U9.1@-15.684,135.331
NetR54_2: R54.2 U7.3 | length 9.4
  Top Layer w0.508: R54.2@-20.413,134.854 -21.102,134.854 -21.436,134.52 -21.436,129.056 -19.867,127.487 U7.3@-19.355,127.487
NetR56_2: R56.2 U9.6 | length 2.9
  Top Layer w0.508: U9.6@-10.884,132.791 -8.712,132.791 R56.2@-8.167,132.246
NetR57_1: R57.1 U8.2 | length 4.5
  Top Layer w0.152: U8.2@-10.731,120.452 -10.731,119.494 -10.135,118.897 -8.687,118.897 -8.22,118.431 R57.1@-8.22,117.881
NetR59_2: R59.2 U9.7 | length 3.1
  Top Layer w0.508: U9.7@-10.884,134.061 -8.699,134.061 R59.2@-8.052,134.708
NetR60_1: R60.1 U8.3 U9.2 U9.3 | length 12
  Top Layer w0.305: R60.1@-18.913,133.038 -18.666,132.791 U9.3@-15.684,132.791 U9.2@-15.684,134.061 ; U9.3@-14.961,132.791 -14.478,132.791 -10.731,129.045 U8.3@-10.731,127.452
NetR62_2: R62.2 U9.4 U10.5 | length 17.4
  Top Layer w0.305: R62.2@-18.913,131.222 -18.034,131.222 -17.735,131.521 U9.4@-15.684,131.521 v4(-15.684,130.797) ; v4(-4.623,128.981) -4.547,128.905 U10.5@-4.547,127.487
  SIG1 w0.305: v4(-15.684,130.797) -14.376,129.489 -5.131,129.489 v4(-4.623,128.981)
NetR63_1: R63.1 U10.3 | length 3.7
  Top Layer w0.508: U10.3@-3.277,121.487 -3.277,120.396 -2.998,120.117 R63.1@-2.998,117.881
NetR75_2: R75.2 U16.U8 | length 9.1
  Top Layer w0.102: R75.2@-10.719,42.889 -10.522,43.085 -10.522,51.873 U16.U8@-10.548,51.899 U16.U8@-10.56,51.887
NetR76_2: R76.2 U16.M9 | length 17.8
  Top Layer w0.102: R76.2@-10.731,39.561 -10.731,40.081 -10.693,40.119 v5(-10.693,40.234) v5@-10.693,40.31 ; v2(-10.135,56.299) -9.748,55.912 U16.M9@-9.748,55.899
  Bottom Layer w0.102: v5@-10.693,40.119 v5(-10.693,40.234) ; v5@-10.693,40.31 v5(-10.693,40.234) ; v2(-10.135,56.299) -10.135,40.792 v5(-10.693,40.234)
NFCE: RA7.3 U13.9 | length 57.1
  Top Layer w0.102: v5(-27.762,61.125) RA7.3@-26.899,61.125 ; v5(-20.549,111.085) U13.9@-19.513,111.085
  SIG1 w0.102: v5(-27.762,61.125) -29.425,62.788 -29.425,95.972 -19.513,105.885 -19.513,110.049 v5(-20.549,111.085)
NFRE: RA7.2 U13.8 | length 56.6
  Top Layer w0.102: v5(-27.762,62.014) RA7.2@-26.899,62.014 ; U13.8@-19.513,111.585 v5(-18.39,111.585)
  SIG1 w0.102: v5(-27.762,62.014) -29.203,63.455 -29.203,95.88 -19.177,105.907 -19.177,110.798 v5(-18.39,111.585)
NFWE: RA7.4 U13.18 | length 52.8
  Top Layer w0.102: v5(-27.762,60.236) RA7.4@-26.899,60.236 ; v5(-20.517,106.585) U13.18@-19.513,106.585
  SIG1 w0.102: v5(-27.762,60.236) -29.647,62.121 -29.647,96.064 -20.517,105.195 v5(-20.517,106.585)
NRESET: R81.2 U16.H16 | length 17
  Top Layer w0.102: U16.H16@-4.148,59.099 -3.748,58.699 4.688,58.699 6.719,56.667 10.096,56.667 R81.2@11.315,55.448
NRTS1/TXD2: R63.2 U16.J11 | length 83.1
  Top Layer w0.102: v2(-8.534,58.699) -8.148,58.312 U16.J11@-8.148,58.299 ; v1(-5.486,117.881) R63.2@-4.498,117.881
  Bottom Layer w0.102: v2(-8.534,58.699) -8.934,59.099 -16.122,59.099 -28.016,70.993 -28.016,96.754 -6.863,117.907 v1@-5.512,117.907
NSS0/EINT10/GPG2: R66.1 U11.16 U16.J10 | length 43.2
  Top Layer w0.102: U16.J10@-8.948,58.299 -8.948,58.287 v2(-8.548,57.887) ; R66.1@-7.366,27.207 -7.366,26.416 -6.909,25.959 U11.16@-3.305,25.959 v5(-0.991,25.959)
  SIG1 w0.102: v2(-8.548,57.887) -8.148,57.487 -8.148,39.353 -0.774,31.979 -0.774,26.175 v5(-0.991,25.959)
NSS1/EINT11/GPG3: R65.2 U11.12 U16.R10 | length 41.3
  Top Layer w0.102: U16.R10@-8.948,53.499 v2(-8.548,53.099) ; U11.12@-3.305,31.039 v2(-1.626,31.039) -0.051,29.464 -0.051,25.832 4.447,21.334 R65.2@4.447,20.83
  SIG1 w0.102: v2(-8.548,53.099) -8.548,35.599 -3.988,31.039 v2(-1.626,31.039)
NTRST: J3.22 R7.2 R16.1 U16.H15 | length 86
  Top Layer w0.102: U16.H15@-4.948,59.099 v2(-4.548,59.499) ; v5(36.449,8.47) 36.449,8.009 R16.1@36.824,7.633
  Top Layer w0.152: R7.2@35.076,7.633 R16.1@36.824,7.633
  SIG1 w0.102: v2(-4.548,59.499) -4.148,59.099 16.732,59.099 27.61,48.221 27.61,26.34 28.677,25.273 32.127,25.273 J3.22@33.5,23.9 J3.22@33.047,23.9
  Bottom Layer w0.102: J3.22@33.5,23.9 33.5,22.786 35.052,21.234 35.052,18.923 36.449,17.526 v5(36.449,8.47)
NWAIT: R70.2 U16.E4 | length 8.2
  Top Layer w0.102: R70.2@-20.459,64.999 -19.787,64.999 v5(-19.761,65.024) ; v2(-14.148,61.899) U16.E4@-13.748,61.499
  Bottom Layer w0.102: v5(-19.761,65.024) -17.273,65.024 v2(-14.148,61.899)
RESET: J3.16 R12.2 R15.1 R81.1 U2.2 | length 61.6
  Top Layer w0.152: R12.2@12.827,54.139 R12.2@12.815,54.127 ; U2.2@13.19,52.334 13.19,52.825 12.815,53.2 R12.2@12.815,54.127 ; J3.16@27.5,19.9 26,21.4 26,24.851 24.511,26.34 24.511,48.108 17.17,55.448 R81.1@12.815,55.448 R12.2@12.815,54.127 ; R15.1@29.832,7.633 v5(29.832,8.394)
  Bottom Layer w0.152: J3.16@27.5,19.9 27.877,19.9 J3.16@27.954,19.9
  Bottom Layer w0.254: J3.16@27.877,19.9 30.5,17.277 30.5,11.9 29.832,11.232 v5(29.832,8.394)
RNB: R68.2 R78.1 U13.7 | length 66.9
  Top Layer w0.102: v5(-27.762,56.624) R78.1@-26.912,56.624 ; R68.2@-23.673,114.694 -22.543,114.694 -20.879,113.03 v5(-20.879,112.085) U13.7@-19.513,112.085
  SIG1 w0.102: v5(-27.762,56.624) -30.091,58.953 -30.091,96.248 -21.336,105.004 -21.336,111.628 v5(-20.879,112.085)
RS_N: C31.2 J3.29 R58.2 R59.1 R61.1 | length 148.6
  Top Layer w0.305: R59.1@-8.052,136.208 R61.1@-6.021,136.208 ; R58.2@-6.375,134.252 v4(-6.375,135.331) -6.375,135.854 R61.1@-6.021,136.208 ; R61.1@-6.008,136.195 R61.1@-6.021,136.208 ; C31.2@36.971,36.576 36.971,28.429 J3.29@38,27.4
  SIG1 w0.305: v4(-6.375,135.331) -4.89,133.846 -1.369,133.846 1.718,130.759 12.776,130.759 28.603,114.932 28.603,107.363 36.754,99.212 36.754,28.646 J3.29@38,27.4
RS_P: C30.1 J3.30 R55.1 R56.1 R58.1 | length 146.7
  Top Layer w0.305: R56.1@-7.899,130.746 -6.047,130.746 R55.1@-5.982,130.81 ; -6.375,130.759 v4(-6.375,131.802) R58.1@-6.375,132.752 ; J3.30@35,27.4 C30.1@35,36.359
  SIG1 w0.305: v4(-6.375,131.802) -4.89,133.287 -1.6,133.287 1.487,130.2 12.37,130.2 28.044,114.526 28.044,107.131 36.17,99.006 36.17,28.57 J3.30@35,27.4
RXCAN: U11.2 U12.4 | length 32.7
  Top Layer w0.254: U11.2@5.795,24.689 7.728,24.689 14.199,31.159 14.199,48.743 U12.4@17.069,51.613
RXD0: J3.25 U16.K14 | length 58.6
  Top Layer w0.102: U16.K14@-5.748,57.499 v2(-5.348,57.099)
  SIG1 w0.102: v2(-5.348,57.099) 14.91,57.099 24.384,47.625 24.384,24.016 J3.25@24.5,23.9
  SIG1 w0.152: J3.25@23.852,23.9 J3.25@24.5,23.9
SGND: C1.2 C2.2 C3.2 C4.2 C5.2 C26.2 C27.2 C32.2 C33.2 CP7.2 CT1.2 CT2.2 CV1.2 CV2.2 CV3.2 D2.1 D3.1 HL1.2 P1.3 P1.5 P1.6 P2.2 P5.2 P5.3 Q2.2 Q3.3 R41.2 R43.1 R47.1 R50.2 R60.2 R61.2 RV3.1 RV4.1 U5.6 U5.7 U6.3 U9.5 U10.4 Z1.6 | length 579.6
  Top Layer w0.305: U5.6@32.956,131.928 32.956,132.563 ; U5.7@33.625,133.151 33.003,133.151 32.956,133.198 32.956,132.563 ; R43.1@36.373,132.309 36.119,132.563 32.956,132.563
  Top Layer w0.381: HL1.2@44.541,110.49 44.541,118.049 v4@45.085,118.593
  Top Layer w0.5: v4(-27.402,131.272) R41.2@-26.658,131.272 ; v1(-25.07,137.973) v1(-17.424,137.973) -16.637,137.973 -11.379,143.231 v1(-11.379,146.38) ; -25.044,129.362 -27.508,129.362 -30.251,132.105 -30.251,144.094 v1(-29.108,145.237) -27.965,146.38 v1(-25.933,146.38) v1(-22.667,146.38) ; Q2.2@-23.766,134.935 v4(-22.667,134.935) ; v1@-22.667,146.448 v1@-14.834,146.448 ; R60.2@-20.413,133.038 v4(-20.413,133.655) ; v1(-14.834,146.38) v1(-11.379,146.38) ; U9.5@-10.884,131.521 -10.871,131.508 v4(-10.871,130.683) v1@-8.725,128.537 ; v4(-10.853,137.172) C33.2@-10.853,138.151 ; C32.2@-4.597,134.403 -4.597,138.001 CP7.2@-4.925,138.328 -4.925,139.926 v1(-11.379,146.38) ; U10.4@-3.277,127.487 -3.277,128.27 -2.896,128.651 2.159,128.651 2.54,128.27 U6.3@2.54,127.452 ; CV3.2@16.713,137.41 22.851,137.41 C5.2@22.875,137.387 23.631,137.387 24.181,137.937 RV4.1@25.193,137.937 26.092,138.836 29.897,138.836 ; R47.1@25.217,130.302 v4(26.035,130.302) ; 32.956,132.563 29.897,135.621 C26.2@29.897,137.617 29.897,138.836 ; v4(34.493,128.829) 34.505,128.817 C27.2@34.505,127.813 ; 47.625,145.009 33.934,145.009 29.897,140.972 29.897,138.836
  Top Layer w1: v4(-3.658,137.781) v4(-3.658,138.848) ; v4(10.008,138.836) v4(11.498,138.836) v4(12.988,138.836) v4(14.478,138.836) v4(18.72,138.836) v4(20.371,138.836) v4(22.022,138.836) v4(23.673,138.836) ; v4(37.186,137.363) v4(37.186,138.049) ; P1.6@38.612,95.708 P1.5@38.612,101.758 ; P1.6@42.012,92.308 P1.3@42.012,101.758 ; v4@43.129,127.178 v4(43.129,127.859) v4(43.129,128.549) ; RV3.1@44.032,119.786 v4@44.928,119.786 ; C4.2@44.106,121.31 44.938,121.31 v4(45.085,121.163) v4(45.085,120.396) v4(45.085,119.629) v4(45.085,118.862) v4@45.085,118.593 ; v4(44.958,127.152) v4(44.958,127.838) v4(44.958,128.549) ; C3.2@47.788,123.292 60.731,123.292 60.782,123.292 ; CV2.2@57.059,116.662 60.681,116.662 ; CV1.2@57.313,84.303 60.554,84.303 60.731,84.125
  Top Layer w2: Z1.6@56.794,67.081 59.246,67.081 60.731,68.567 v4(60.731,72.187) 60.731,74.32 ; CT2.2@57.939,135.585 v4(59.995,135.585) 61.544,134.036 61.544,126.975 60.3,125.73 ; CT1.2@58.04,125.73 60.3,125.73 ; D2.1@58.115,74.219 60.63,74.219 60.731,74.32 ; 60.3,125.73 60.731,125.298 60.731,123.292 v4(60.731,122.86) v4(60.731,119.24) v4(60.731,115.621) v4(60.731,112.001) v4(60.731,108.382) v4(60.731,104.762) v4(60.731,101.143) v4(60.731,97.523) v4(60.731,93.904) v4(60.731,90.284) v4(60.731,86.665) 60.731,84.125 v4(60.731,83.045) v4(60.731,79.426) v4(60.731,75.806) 60.731,74.32
  SIG1 w0.152: 35.643,28.761 ccw(c35,27.4) 36.5,27.27 ccw(c38,27.4) 39.506,27.4 ccw(c38,27.4) 37.357,28.761
  SIG1 w0.203: 1.127,129.841 ccw(c1.487,130.2) 1.487,129.692 ; 27.685,106.772 cw(c28.044,107.131) 27.536,107.131 ; 35.662,28.78 35.662,98.796 27.686,106.771 cw(c28.044,107.131) 27.536,107.131 ; 37.113,99.572 cw(c36.754,99.212) 37.262,99.212 ; 37.357,28.761 37.262,28.857 37.262,99.212 ; -6.505,132.391 ccw(c-6.375,131.802) -5.786,131.673 -4.68,132.779 -1.811,132.779 1.127,129.842 ccw(c1.487,130.2) 1.487,129.692 ; -6.505,132.391 -7.518,133.404 v1(-7.518,133.528) -7.518,133.729 -6.505,134.742 ; -6.505,132.391 -6.505,134.742 ; -6.505,134.742 cw(c-6.375,135.331) -5.786,135.461 -4.68,134.354 -1.158,134.354 1.928,131.267 13.233,131.267 29.111,115.389 29.111,107.573 37.112,99.572 cw(c36.754,99.212) 37.262,99.212 ; 1.487,129.692 12.065,129.692 27.536,114.221 27.536,107.131
  SIG1 w0.5: v4(-20.413,132.427) v4(-20.413,133.655) ; v4(-1.93,128.613) -1.93,132.627
  other v1: 41.402,86.448 42.926,86.448 41.402,87.376 42.926,87.376 -26.187,128.549 -15.101,128.549 -8.712,128.549 -21.133,138.049 -15.138,139.395 30.251,141.249 -7.62,142.494 -11.151,143.233 32.36,143.612 -9.347,144.628 43.129,145.059 47,145.059 37.643,145.136 -18.313,146.38
  other v4: 60.935,126.543 43.104,127.152 -0.152,128.613 61.138,133.934
SPICLK1/GPG7: pad.2@-26,9.92 U16.L10 | length 55.2
  Top Layer w0.102: U16.L10@-8.948,56.699 v2(-8.548,56.299)
  Bottom Layer w0.102: pad.2@-26,9.92 -21.031,14.889 -21.031,24.105 -7.348,37.788 -7.348,54.299 -8.548,55.499 v2(-8.548,56.299)
SPICLK/GPE13: U11.13 U16.L9 | length 31.9
  Top Layer w0.102: U16.L9@-9.748,56.699 v2(-9.348,56.299) ; v5(-5.613,29.769) U11.13@-3.305,29.769
  SIG1 w0.102: v2(-9.348,56.299) -10.135,55.512 -10.135,33.857 -6.046,29.769 v5(-5.613,29.769)
SPIMISO/GPE11: U11.15 U16.K9 | length 35.4
  Top Layer w0.102: U16.K9@-9.748,57.499 v2(-9.348,57.099) ; U11.15@-3.305,27.229 v5(-1.6,27.229)
  SIG1 w0.102: v2(-9.348,57.099) -8.948,56.699 -8.948,35.008 -1.6,27.661 v5(-1.6,27.229)
SPIMOSI/GPE12: U11.14 U16.P9 | length 29.8
  Top Layer w0.102: U16.P9@-9.748,54.299 v2(-9.348,53.899) ; v5(-4.902,28.499) U11.14@-3.305,28.499
  SIG1 w0.102: v2(-9.348,53.899) -9.779,53.467 -9.779,35.103 -4.902,30.226 v5(-4.902,28.499)
SPIO1/GPG5: pad.1@-26,12.46 U16.K10 | length 54.2
  Top Layer w0.102: v2(-9.347,57.899) U16.K10@-8.948,57.499
  Bottom Layer w0.102: pad.1@-26,12.46 -21.943,16.517 -21.943,23.726 -7.748,37.921 -7.748,53.899 -8.948,55.099 -8.948,57.499 v2(-9.347,57.899)
SPISI1/GPG6: pad.0@-26,15 U16.R11 | length 47
  Top Layer w0.102: v2(-8.548,53.899) U16.R11@-8.148,53.499
  Bottom Layer w0.102: pad.0@-26,15 -22.628,18.372 -22.628,23.575 -8.148,38.055 -8.148,53.499 v2(-8.548,53.899)
TCK: J3.24 R4.2 U16.J13 | length 80.6
  Top Layer w0.102: v2(-6.948,58.699) U16.J13@-6.548,58.299 ; R4.2@28.083,7.633 R4.2@28.092,7.642
  Top Layer w0.254: R4.2@28.083,7.633 28.083,8.385 v5(28.092,8.394)
  SIG1 w0.102: v2(-6.948,58.699) -5.748,57.499 0.312,57.499 0.324,57.487 0.655,57.487 0.667,57.499 15.577,57.499 25.044,48.031 25.044,29.286 24.638,28.88 24.638,26.252 26.99,23.9 J3.24@27.5,23.9 J3.24@27.457,23.943
  Bottom Layer w0.254: J3.24@27.5,23.9 25.984,22.384 25.984,18.898 27.495,17.387 27.495,8.992 v5(28.092,8.394)
TDI: J3.15 R6.2 U16.H17 | length 77.6
  Top Layer w0.102: U16.H17@-3.348,59.099 6.001,59.099 8.026,57.074 18.757,57.074 27.508,48.323 27.508,26.238 29,24.746 29,21.4 J3.15@30.5,19.9
  Top Layer w0.152: R6.2@31.58,7.633 v5@31.58,8.313
  SIG1 w0.152: J3.15@30.5,19.9 30.5,11.252 31.598,10.155 v5(31.598,8.394)
TDO: J3.23 U16.J16 | length 62.5
  Top Layer w0.102: v2(-4.548,58.699) U16.J16@-4.148,58.299
  SIG1 w0.102: v2(-4.548,58.699) 16.257,58.699 26.873,48.082 26.873,31.369 27.356,30.886 27.356,26.235 29.69,23.9 J3.23@30.5,23.9
TMS: J3.14 R5.2 U16.J14 | length 82.5
  Top Layer w0.102: v2(-6.148,58.699) U16.J14@-5.748,58.299
  Top Layer w0.152: v5(33.325,8.394) 33.328,8.391 R5.2@33.328,7.633
  SIG1 w0.102: v2(-6.148,58.699) -5.748,58.299 1.155,58.299 ; 1.155,58.299 15.792,58.299 26.162,47.93 v5(26.162,30.023)
  SIG1 w0.152: v5(33.325,8.394) 33.48,8.549 33.48,19.88 J3.14@33.5,19.9
  Bottom Layer w0.152: v5@26.175,30.035 27.508,28.702 27.508,26.266 28.425,25.349 31.394,25.349 31.953,24.79 31.953,22.885 33.5,21.339 J3.14@33.5,19.9
TOUT0/GPB0: R40.2 U16.J6 | length 83.8
  Top Layer w0.102: v2(-25.984,117.881) R40.2@-25.387,117.881 ; v2(-12.548,58.699) U16.J6@-12.148,58.299
  SIG1 w0.102: v2(-25.984,117.881) -30.759,113.106 -30.759,58.115 -27.788,55.143 -20.699,55.143 -17.543,58.299 -12.948,58.299 v2(-12.548,58.699)
TOUT1/GPB1: R46.2 U16.J5 | length 104.3
  Top Layer w0.102: v2(-13.348,58.699) U16.J5@-12.948,58.299 ; v1(-0.33,117.881) R46.2@0.724,117.881
  SIG1 w0.102: v2(-13.348,58.699) -18.136,58.699 -18.634,58.201 -20.92,58.201 -23.165,55.956 -28.042,55.956 -30.537,58.452 -30.537,107.08 -20.422,117.196 -1.016,117.196 v1(-0.33,117.881)
TOUT2/GPB2: R19.2 U16.J7 | length 59.1
  Top Layer w0.102: v5@-18.39,5.309 R19.2@-17.692,5.309 ; v2(-11.748,58.699) U16.J7@-11.348,58.299
  SIG1 w0.102: v5(-18.415,5.283) -18.72,5.588 -18.72,54.126 -15.348,57.499 -12.948,57.499 v2(-11.748,58.699)
TXCAN: U11.1 U12.3 | length 31.6
  Top Layer w0.254: U11.1@5.795,23.419 7.976,23.419 15.215,30.658 15.215,47.219 U12.3@17.069,49.073
TXD0: J3.34 U16.K13 | length 54
  Top Layer w0.102: U16.K13@-6.548,57.499 v2(-6.148,57.099)
  SIG1 w0.102: v2(-6.148,57.099) -5.748,56.699 14.167,56.699 23,47.866 J3.34@23,27.4
TXD1: U16.K16
UPLLCAP: C51.1 U16.P17 | length 4.7
  Top Layer w0.152: U16.P17@-3.348,54.299 C51.1@1.397,54.299
VCC5V: C26.1 C32.1 C33.1 CP7.1 J3.10 R45.1 R55.2 R62.1 RT2.2 RV4.2 U5.1 U5.2 U7.1 U8.4 U9.8 U10.6 | length 52.5
  Top Layer w0.508: R62.1@-20.413,131.222 -20.413,130.369 -19.66,129.616 -18.898,129.616 -18.11,129.616 -16.815,128.321 U7.1@-16.815,127.487 U8.4@-12.037,127.487 ; U8.4@-12.002,127.452 U8.4@-12.037,127.487 ; U9.8@-10.884,135.331 -12.624,137.071 -12.624,138.862 -11.811,139.675 -8.712,139.675 -7.725,138.687 CP7.1@-7.725,138.328 ; C32.1@-4.597,132.703 -4.482,132.588 R55.2@-4.482,130.81 -4.482,130.519 -5.817,129.184 U10.6@-5.817,127.487 -5.817,126.543 -6.375,125.984 -11.633,125.984 -12.037,126.387 U8.4@-12.037,127.487 ; v4(23.522,134.188) 24.287,134.953 R45.1@25.191,134.953 25.191,135.603 ; RV4.2@25.193,136.437 25.191,136.435 25.191,135.605 27.203,137.617 C26.1@28.197,137.617 ; U5.2@28.156,133.198 C26.1@28.156,137.576
  Top Layer w1: v1(-19.507,129.642) v1(-18.898,129.642) v1(-18.288,129.642) ; v1(-8.915,137.719) v1(-8.915,138.328) v1(-8.915,138.938) ; v1(-3.785,130.734) v1(-3.785,131.343) v1(-3.785,131.953) ; v4(22.073,134.188) v4(22.798,134.188) v4(23.522,134.188)
VCC12V: C4.1 J3.1 P2.1 RF2.1 RT1.2 RT3.1 RV3.2 U3.1 U4.4 | length 252.8
  Top Layer w0.508: U3.1@-28.524,148.555 -31.42,145.659 -31.42,131.47 v1(-27.976,128.026) v1(-27.401,127.452) U4.4@-25.273,127.452
  Top Layer w1: RT3.1@42.208,116.332 42.208,124.957 48.087,124.957 48.657,125.527 RF2.1@49.705,125.527
  Top Layer w1.5: U3.1@-28.524,148.555 -9.083,148.555 1.473,137.998 6.35,137.998 6.807,137.541 P2.1@6.807,135.56 ; 41.402,124.054 v5(41.402,124.358) v5(41.402,125.095)
  SIG1 w2: 41.681,125.501 41.681,117.283 ccw(c44.221,117.283) 42.425,115.486 50.462,107.449 cw(c48.666,105.653) 51.206,105.653 51.206,101.23 ccw(c53.746,101.23) 51.95,99.434 53.841,97.543 cw(c52.045,95.747) 54.585,95.747 54.585,75.019 61.849,67.754 61.849,25.73 52.519,16.4 J3.1@47,16.4
  Bottom Layer w1.5: P2.1@6.807,135.56 6.807,133.147 14.352,125.602 40.895,125.602 v5(41.402,125.095) v5(41.402,124.358)
  other v1: 42.443,125.07 42.443,125.805
  other v5: 41.402,125.805
VCC24V: C1.1 C2.1 CV1.1 D1.2 D2.2 P1.1 | length 27.1
  Top Layer w1: P1.1@45.412,101.758 45.412,100.098 48.768,96.742 48.768,83.935
  Top Layer w2: D2.2@50.495,74.219 50.495,82.079